# Altium PCB base-32-bit_v1.PcbDoc (part 2 of 3)
Units mil, origin at the board's own origin, x right, y up, seen from the top; angles counter-clockwise.
Board outline 1400 x 1750 mil, 4 copper layers (Top Layer, GND, PWR, Bottom Layer), stack 23.756 mil thick; 71 components, 133 nets, 539 pads, 361 vias.
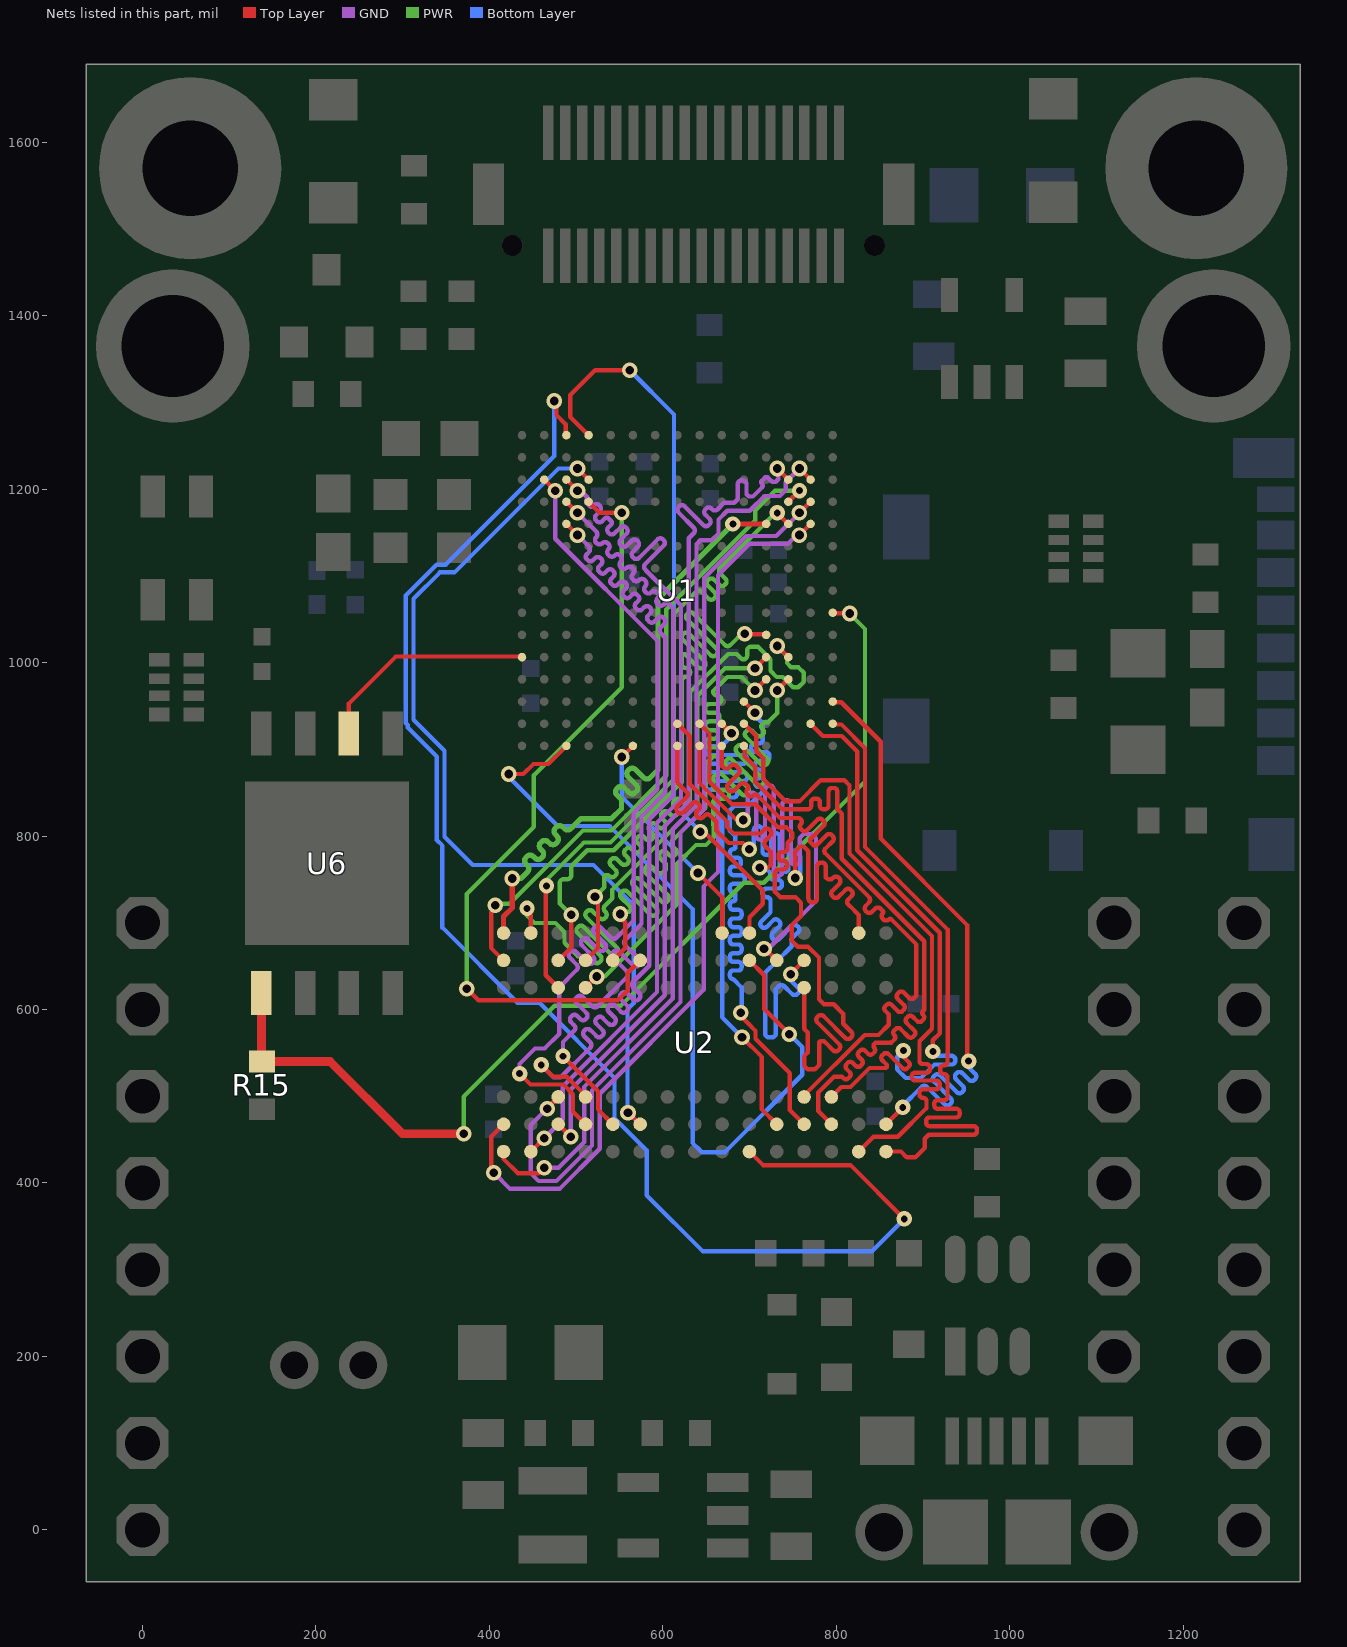
[diagram p4: the nets of this part, all layers, seen from the top]

## Via types
v1: diameter 18, hole 10, Top Layer to Bottom Layer, tented both sides, 295 vias
v2: diameter 18, hole 10, Top Layer to Bottom Layer, 36 vias
v3: diameter 18/18/18/18 (per signal layer), hole 10, Top Layer to Bottom Layer, tented both sides, 16 vias
v4: diameter 17.72, hole 8, Top Layer to Bottom Layer, tented both sides, 14 vias

## Nets (pads, with @x,y where several pads share a name; then routed paths per layer and width w, separated by ;. In a path a pad name is that pad's centre, name@x,y a point inside that pad or via, vN(x,y) a via of type N, cw(c..) or ccw(c..) an arc to the next point about the centre after c; other vN are vias at no path point) (continued)
DRAM_D4: U1.R8 U2.P9 | length 767.5
  Top Layer w5: U1.R8@616.65,903.93 616.65,861.38 627.61,850.43 cw(c625.09,847.91) 627.61,845.39 617,834.79 ccw(c620.54,831.25) 617,827.72 ccw(c620.54,831.25) 624.07,827.72 634.68,838.32 cw(c637.19,835.81) 639.71,838.32 641.75,836.28 cw(c639.23,833.77) 641.75,831.25 639.67,829.17 ccw(c643.21,825.64) 639.67,822.1 ccw(c643.21,825.64) 646.74,822.1 648.82,824.18 cw(c651.34,821.66) 653.85,824.18 661.5,816.53 661.5,806.5 676,792 692.37,792 v1(699.73,784.64) v1@693.4,784.64 ; v1@757.73,756.14 cw(c753.23,756.14) 753.23,751.64 v1(752.73,751.64) 752.73,782.5 758.16,787.93 762.3,787.93 767.73,782.5 767.73,728.2 ccw(c772.23,728.2) 772.23,723.7 773.23,723.7 ccw(c773.23,728.2) 777.73,728.2 777.73,764.97 cw(c782.23,764.97) 782.23,769.47 783.23,769.47 cw(c783.23,764.97) 787.73,764.97 787.73,752.77 ccw(c788.86,752.77) 788.86,751.64 789.22,751.28 ccw(c792.4,754.47) 795.58,751.28 796.24,751.95 cw(c799.43,748.77) 802.61,751.95 803.32,751.24 cw(c800.13,748.06) 803.32,744.88 795.46,737.03 ccw(c798.65,733.84) 795.46,730.66 796.17,729.96 ccw(c799.35,733.14) 802.54,729.96 810.39,737.81 cw(c813.57,734.62) 816.75,737.81 817.46,737.1 cw(c814.28,733.92) 817.46,730.74 813.61,726.89 ccw(c816.47,724.03) 813.61,721.18 814.97,719.82 825.75,709.04 U2.P9@825.75,688.19
  Bottom Layer w5: v1(699.73,784.64) 700.23,784.64 ccw(c700.23,789.14) 704.73,789.14 704.73,806.69 cw(c709.23,806.69) 709.23,811.19 710.23,811.19 cw(c710.23,806.69) 714.73,806.69 714.73,782.78 ccw(c719.23,782.78) 719.23,778.28 720.23,778.28 ccw(c720.23,782.78) 724.73,782.78 724.73,798.72 cw(c729.23,798.72) 729.23,803.22 730.23,803.22 cw(c730.23,798.72) 734.73,798.72 734.73,763 ccw(c739.23,763) 739.23,758.5 740.23,758.5 ccw(c740.23,763) 744.73,763 744.73,780.14 747.66,783.07 751.8,783.07 758.5,776.37 758.5,757.41 v1(752.73,751.64)
DRAM_D5: U1.P8 U2.M8 | length 751.6
  Top Layer w5: U1.P8@616.66,929.52 630.82,915.36 630.82,859.94 674,816.76 674,810.5 681.5,803 712.36,803 716.63,807.28 cw(c719.81,804.09) 723,807.28 723.7,806.57 cw(c720.52,803.39) 723.7,800.2 718.07,794.58 ccw(c721.26,791.39) 718.07,788.21 724.5,781.79 724.5,767 721.14,763.64 v1(711.73,763.64) ; v1(747.28,640.75) 747.28,640.98 U2.M8@762.76,656.46
  Bottom Layer w5: v1(711.73,763.64) 717.95,763.64 723.5,758.09 723.5,754 ccw(c728,754) 728,749.5 732.73,749.5 cw(c732.73,745) 737.23,745 737.23,744 cw(c732.73,744) 732.73,739.5 719.73,739.5 ccw(c719.73,735) 715.23,735 715.23,734 ccw(c719.73,734) 719.73,729.5 cw(c719.73,725.1) 724.12,725.1 724.12,712.21 713.63,701.72 ccw(c716.73,698.61) 713.63,695.5 ccw(c716.73,698.61) 719.84,695.5 727.04,702.69 cw(c730.14,699.58) 733.25,702.69 734.11,701.84 cw(c731,698.73) 734.11,695.62 726.64,688.15 ccw(c729.82,684.97) 726.63,681.79 727.34,681.08 ccw(c730.52,684.26) 733.71,681.08 748.84,696.21 cw(c752.02,693.03) 755.2,696.21 755.91,695.5 cw(c752.73,692.32) 755.91,689.14 748.5,681.73 748.5,673 731.5,656 ; 731.5,656.5 731.5,656 ; v1(747.28,640.75) 746.93,640.4 ccw(c750.11,637.22) 746.93,634.03 755.91,625.05 cw(c752.73,621.87) 755.91,618.69 755.2,617.98 cw(c752.02,621.16) 748.84,617.98 739.86,626.96 ccw(c736.68,623.78) 733.49,626.96 730.23,623.7 730.23,570.93 727.3,568 720.73,568 717.8,570.93 717.8,642.3 731.5,656
DRAM_D6: U1.P9 U2.M7 | length 792.9
  Top Layer w5: U1.P9@642.25,929.52 653.66,918.11 653.66,862.55 679.58,836.64 706.36,836.64 733,810 742.57,810 749,803.57 749,797.5 743.73,792.23 743.73,786 cw(c739.23,786) 739.23,781.5 736.5,781.5 ccw(c736.5,778.5) 733.5,778.5 733.5,774.5 ccw(c736.5,774.5) 736.5,771.5 738.81,771.5 cw(c738.81,767) 743.31,767 743.31,766 cw(c738.81,766) 738.81,761.5 733.59,761.5 ccw(c733.59,757) 729.09,757 729.09,735.91 735.36,729.64 752.81,729.64 759.23,723.22 759.23,707.72 748.39,696.87 748.39,679.61 755.56,672.44 767.34,672.44 779.88,659.9 779.88,611.76 785.64,606 797,606 808,595 808,583.64 817.26,574.37 cw(c814.08,571.19) 817.26,568.01 816.56,567.3 cw(c813.38,570.49) 810.19,567.3 785,592.5 ; U2.M7@762.76,625.2 762.5,624.94 762.76,624.68 762.76,577.74 767,573.5 767,550.5 762.76,546.26 762.76,535.24 767,531 775,531 780.42,536.42 780.42,562.42 cw(c783.61,559.24) 786.79,562.42 796.05,553.16 ccw(c799.23,556.34) 802.42,553.16 803.12,553.87 ccw(c799.94,557.05) 803.12,560.23 778.18,585.18 cw(c781.36,588.36) 778.18,591.54 ; 778.88,592.25 cw(c782.07,589.07) 785.25,592.25
DRAM_D7: U1.R9 U2.L8 | length 791.8
  Top Layer w5: U1.R9@642.24,903.93 642.24,861.25 684.99,818.5 v1(692.75,818.5) ; v1@716.89,671.07 U2.L8@731.26,656.69
  GND w5: v1(692.75,818.5) 693.25,818.5 ccw(c693.25,823) v1@697.75,823 ; v1@697.75,825.5 697.75,845.38 ; 697.75,847.88 697.75,845.38 ; v1(716.5,670) 721.51,670 776.5,724.99 776.5,797.63 771.81,802.31 762.44,802.31 757.75,797.63 757.75,771.64 cw(c753.25,771.64) 753.25,767.14 752.25,767.14 cw(c752.25,771.64) 747.75,771.64 747.75,836.61 ccw(c743.25,836.61) 743.25,841.11 742.25,841.11 ccw(c742.25,836.61) 737.75,836.61 737.75,758.81 cw(c733.25,758.81) 733.25,754.31 732.25,754.31 cw(c732.25,758.81) 727.75,758.81 727.75,853.6 ccw(c723.25,853.6) 723.25,858.1 722.25,858.1 ccw(c722.25,853.6) 717.75,853.6 717.75,800.4 cw(c713.25,800.4) 713.25,795.9 712.25,795.9 cw(c712.25,800.4) 707.75,800.4 707.75,845.38 ccw(c703.25,845.38) 703.25,849.88 702.25,849.88 ccw(c702.25,845.38) 697.75,845.38
DRAM_D8: U1.P10 U2.L2 | length 749.7
  Top Layer w5: U1.P10@667.84,929.52 678.87,918.5 v1(679,918.5) ; v1(691.23,568.14) 714.14,545.23 714.14,484.84 U2.L2@731.26,467.72
  Bottom Layer w5: v1@679,914.36 v1@679,915 ; v1(679,918.5) v1@679,915 ; v1(691.23,568.14) 668.25,591.11 668.25,819.25 660.5,827 660.5,841.57 663.43,844.5 681.24,844.5 ccw(c681.24,849) 685.74,849 ccw(c681.24,849) 681.24,853.5 653.5,853.5 cw(c653.5,858) 649,858 649,859 cw(c653.5,859) 653.5,863.5 692.73,863.5 ccw(c692.73,868) 697.23,868 697.23,869 ccw(c692.73,869) 692.73,873.5 653.5,873.5 cw(c653.5,878) 649,878 649,879 cw(c653.5,879) 653.5,883.5 692.73,883.5 ccw(c692.73,888) 697.23,888 697.23,889 ccw(c692.73,889) 692.73,893.5 653.5,893.5 cw(c653.5,898) 649,898 649,899 cw(c653.5,899) 653.5,903.5 667.5,903.5 v1@679,915
DRAM_D9: U1.R10 U2.M3 | length 796.6
  Top Layer w5: U1.R10@667.84,903.93 667.84,881.05 670.93,877.97 675.07,877.97 678.07,880.97 cw(c681.25,877.78) 684.43,880.97 687.17,878.22 ; 686.47,878.93 687.17,878.22 ; U2.M3@762.76,499.21 762.76,500.78 832.62,570.64 848.65,570.64 860.41,582.4 860.41,594.41 856.49,598.32 cw(c859.32,601.15) 856.49,603.98 857.91,605.4 cw(c860.73,602.57) 863.56,605.4 870.66,598.3 ccw(c873.48,601.13) 876.31,598.3 877.73,599.72 ccw(c874.9,602.55) 877.73,605.37 870.56,612.54 cw(c873.39,615.37) 870.56,618.19 871.98,619.61 cw(c874.81,616.78) 877.63,619.61 883.99,613.26 ccw(c886.81,616.09) 889.64,613.26 892.23,615.84 892.23,675.06 863.4,703.88 ccw(c861.96,702.44) 860.51,703.88 cw(c857.33,707.07) 854.15,703.88 853.44,704.59 cw(c856.63,707.77) 853.44,710.95 ccw(c852,712.4) 853.44,713.84 851,716.29 ccw(c847.82,713.11) 844.63,716.29 841.11,712.77 cw(c837.93,715.95) 834.75,712.77 834.04,713.47 cw(c837.22,716.66) 834.04,719.84 837.56,723.36 ccw(c834.38,726.54) 837.56,729.72 787.36,779.93 cw(c790.19,782.76) 787.36,785.58 795.91,794.14 ccw(c793.09,796.97) 795.91,799.8 794.5,801.21 ccw(c791.67,798.38) 788.84,801.21 777.46,789.83 cw(c775.29,791.99) 773.13,789.83 770.39,792.57 cw(c772.55,794.73) 770.39,796.9 785.3,811.81 ccw(c782.47,814.64) 785.3,817.47 783.89,818.88 ccw(c781.06,816.05) 778.23,818.88 766.15,806.8 cw(c763.32,809.63) 760.49,806.8 758.96,808.32 cw(c761.68,811.04) 758.96,813.76 ccw(c756.14,816.59) 758.96,819.41 757.55,820.83 734.9,820.83 710.09,845.64 708.77,846.96 ccw(c706.73,844.92) 704.7,846.96 cw(c701.51,850.14) 698.33,846.96 697.62,847.66 cw(c700.81,850.84) 697.62,854.03 ccw(c695.59,856.07) 697.62,858.1 695.77,859.95 ccw(c692.59,856.77) 689.41,859.95 682.38,852.93 cw(c679.2,856.11) 676.02,852.93 675.31,853.63 cw(c678.49,856.82) 675.31,860 687.17,871.86 ccw(c683.99,875.04) 687.17,878.22
DRAM_D10: U1.N11 U2.M2 | length 754.5
  Top Layer w5: v1(689.73,596.14) 689.73,592.62 698.89,583.46 698.89,583.25 706.73,575.41 706.73,566.22 746.23,526.72 746.23,484.25 U2.M2@762.76,467.72 ; U1.N11@693.43,955.11 v1(706.23,942.32)
  Bottom Layer w5: v1(689.73,596.14) 690.73,597.14 690.73,625.52 681.25,635 cw(c681.25,639) 677.25,639 677.25,641 cw(c681.25,641) 681.25,645 686.73,645 ccw(c686.73,649) 690.73,649 690.73,651 ccw(c686.73,651) 686.73,655 681.25,655 cw(c681.25,659) 677.25,659 677.25,661 cw(c681.25,661) 681.25,665 686.73,665 ccw(c686.73,669) 690.73,669 690.73,671 ccw(c686.73,671) 686.73,675 681.25,675 cw(c681.25,679) 677.25,679 677.25,681 cw(c681.25,681) 681.25,685 686.73,685 ccw(c686.73,689) 690.73,689 690.73,691 ccw(c686.73,691) 686.73,695 681.25,695 cw(c681.25,699) 677.25,699 677.25,701 cw(c681.25,701) 681.25,705 686.73,705 ccw(c686.73,709) 690.73,709 690.73,711 ccw(c686.73,711) 686.73,715 681.25,715 cw(c681.25,719) 677.25,719 677.25,721 cw(c681.25,721) 681.25,725 ccw(c681.25,727.25) 683.5,727.25 683.5,732.75 ccw(c681.25,732.75) 681.25,735 cw(c681.25,739) 677.25,739 677.25,741 cw(c681.25,741) 681.25,745 690.36,745 ccw(c690.36,749) 694.36,749 694.36,751 ccw(c690.36,751) 690.36,755 681.25,755 cw(c681.25,759) 677.25,759 677.25,761 cw(c681.25,761) 681.25,765 685.79,765 ccw(c685.79,769) 689.79,769 689.79,771 ccw(c685.79,771) 685.79,775 681.25,775 cw(c681.25,779) 677.25,779 677.25,781 cw(c681.25,781) 681.25,785 ccw(c681.25,787.25) 683.5,787.25 683.5,800 677.25,806.25 677.25,829.75 682.5,835 699,835 715,851 715,852.83 ccw(c711,852.83) 711,856.83 710.23,856.83 cw(c710.23,860.83) 706.23,860.83 706.23,862.83 cw(c710.23,862.83) 710.23,866.83 711,866.83 ccw(c711,870.83) 715,870.83 715,872.83 ccw(c711,872.83) 711,876.83 710.23,876.83 cw(c710.23,880.83) 706.23,880.83 706.23,882.83 cw(c710.23,882.83) 710.23,886.83 718.82,886.83 ccw(c718.82,890.83) 722.82,890.83 722.82,892.83 ccw(c718.82,892.83) 718.82,896.83 705.64,896.83 cw(c705.64,900.83) 701.64,900.83 701.64,902.83 cw(c705.64,902.83) 705.64,906.83 711,906.83 ccw(c711,910.83) 715,910.83 715,930.03 706.23,938.8 v1(706.23,942.32)
DRAM_D11: U1.P11 U2.P1 | length 791.3
  Top Layer w5: U1.P11@693.43,929.52 707.6,915.35 707.6,897.9 715.5,890 715.5,866.08 741.58,840 757.42,840 781.92,864.5 809,864.5 815.09,858.41 815.09,779.91 910.23,684.77 910.23,577.73 895.87,563.37 895.87,541.13 ccw(c899.87,541.13) 899.87,537.13 903.95,537.13 cw(c903.95,533.13) 907.95,533.13 907.95,531.13 cw(c903.95,531.13) 903.95,527.13 895.02,527.13 890.95,527.13 ccw(c890.95,523.13) 886.95,523.13 886.95,522.13 ccw(c890.95,522.13) 890.95,518.13 906.22,518.13 915.14,518.13 cw(c915.14,514.13) 919.14,514.13 919.14,512.13 cw(c915.14,512.13) 915.14,508.13 899.87,508.13 ccw(c899.87,504.13) 895.87,504.13 895.87,502.13 ccw(c899.87,502.13) 899.87,498.13 cw(c899.87,494.13) 903.87,494.13 903.87,486.37 870.84,453.34 842.88,453.34 U2.P1@825.75,436.22
DRAM_D12: U1.R11 U2.N2 | length 793.9
  Top Layer w5: U1.R11@693.43,903.93 694.36,903.01 694.36,891.67 706.5,879.53 706.5,862.35 737.85,831 767,831 ccw(c767,835) 771,835 771,839.19 cw(c775,839.19) 775,843.19 777,843.19 cw(c777,839.19) 781,839.19 781,835 ccw(c785,835) 785,831 787,831 ccw(c787,835) 791,835 791,851.5 cw(c795,851.5) 795,855.5 797,855.5 cw(c797,851.5) 801,851.5 801,831 806.09,825.91 806.09,773.93 901.23,678.79 901.23,599.73 900.06,598.56 ccw(c902.42,596.19) 900.06,593.83 cw(c897.23,591) 900.06,588.17 898.64,586.76 cw(c895.81,589.59) 892.99,586.76 888.07,591.67 ccw(c885.24,588.85) 882.41,591.67 881,590.26 ccw(c883.83,587.43) 881,584.6 889.86,575.74 cw(c887.03,572.91) 889.86,570.09 888.44,568.67 cw(c885.61,571.5) 882.79,568.67 873.93,577.53 ccw(c871.1,574.7) 868.27,577.53 866.86,576.12 ccw(c869.68,573.29) 866.86,570.46 cw(c864.3,567.91) 866.86,565.36 863.14,561.64 845.14,561.64 843.49,559.99 ccw(c845.39,558.1) 843.49,556.21 cw(c840.67,553.38) 843.49,550.55 842.08,549.14 cw(c839.25,551.97) 836.42,549.14 832.97,552.6 ccw(c830.14,549.77) 827.31,552.6 825.89,551.18 ccw(c828.72,548.35) 825.89,545.53 829.35,542.07 cw(c826.52,539.24) 829.35,536.41 827.94,535 cw(c825.11,537.83) 822.28,535 818.82,538.46 ccw(c815.99,535.63) 813.17,538.46 811.75,537.04 ccw(c814.58,534.21) 811.75,531.38 815.21,527.93 cw(c812.38,525.1) 815.21,522.27 813.8,520.85 cw(c810.97,523.68) 808.14,520.85 806.49,522.5 797.21,522.5 779,504.29 779,482.97 U2.N2@794.25,467.72
DRAM_D13: U1.P15 U2.R1 | length 794.9
  Top Layer w5: U1.P15@795.79,929.52 796.72,928.6 805.78,928.6 833.09,901.29 833.09,787.37 928.23,692.23 928.23,550.68 928.14,550.59 928.14,539.59 cw(c924.14,539.59) 924.14,535.59 923.72,535.59 ccw(c923.72,531.59) 919.72,531.59 919.72,529.59 ccw(c923.72,529.59) 923.72,525.59 924.14,525.59 cw(c924.14,521.59) 928.14,521.59 928.14,499.59 cw(c924.14,499.59) 924.14,495.59 916.87,495.59 ccw(c916.87,491.59) 912.87,491.59 912.87,489.59 ccw(c916.87,489.59) 916.87,485.59 938.08,485.59 cw(c938.08,481.59) 942.08,481.59 942.08,479.59 cw(c938.08,479.59) 938.08,475.59 907.47,475.59 ccw(c907.47,471.59) 903.47,471.59 903.47,469.59 ccw(c907.47,469.59) 907.47,465.59 958.08,465.59 cw(c958.08,461.59) 962.08,461.59 962.08,459.59 cw(c958.08,459.59) 958.08,455.59 906.59,455.59 902,451 902,440.5 891,429.5 881.18,429.5 874.46,436.22 U2.R1@857.24,436.22
DRAM_D14: U1.P14 U2.N3 | length 750.7
  Top Layer w5: U1.P14@770.2,929.52 784.37,915.35 806.29,915.35 824.09,897.56 824.09,783.64 919.23,688.5 919.23,572.5 911.23,564.5 v4(911.23,551.64) ; U2.N3@794.25,499.21 805.72,510.68 816.35,510.68 838.31,532.64 857.23,532.64 ccw(c854.91,534.96) 857.23,537.28 852.92,541.59 cw(c855.75,544.42) 852.92,547.25 854.33,548.66 cw(c857.16,545.83) 859.99,548.66 876.21,532.44 ccw(c879.04,535.27) 881.87,532.44 883.28,533.85 ccw(c880.46,536.68) 883.28,539.51 876.52,546.27 cw(c879.35,549.1) 876.52,551.93 v4(877.23,552.64) v4@877.23,552.23
  Bottom Layer w5: v4(877.23,552.64) 870,545.41 870,531 880,521 897.5,521 913.14,536.64 932.64,536.64 ccw(c932.64,541.14) 937.14,541.14 937.14,542.14 ccw(c932.64,542.14) 932.64,546.64 915.73,546.64 cw(c915.73,551.14) 911.23,551.14 v4(911.23,551.64)
DRAM_D15: U1.N15 U2.R2 | length 750.5
  Top Layer w5: U1.N15@795.79,955.11 796.72,954.19 805.64,954.19 851.09,908.74 851.09,797.14 950.73,697.5 950.73,542.27 v4(952.5,540.5) ; U2.R2@857.24,467.72 876.5,486.98 v4(876.5,487.24)
  Bottom Layer w5: v4(876.5,487.24) 876.5,489.01 897.47,509.97 898.17,510.68 cw(c901.35,507.5) 904.54,510.68 924.57,490.65 ccw(c927.75,493.83) 930.93,490.65 931.64,491.36 ccw(c928.46,494.54) 931.64,497.72 912.48,516.88 cw(c915.66,520.07) 912.48,523.25 913.18,523.95 cw(c916.37,520.77) 919.55,523.95 938.71,504.79 ccw(c941.89,507.97) 945.08,504.79 945.78,505.5 ccw(c942.6,508.68) 945.78,511.86 938,519.64 cw(c941.19,522.82) 938,526 938.71,526.71 cw(c941.89,523.53) 945.08,526.71 952.85,518.93 ccw(c956.04,522.12) 959.22,518.93 959.92,519.64 ccw(c956.74,522.82) 959.92,526 952.15,533.78 cw(c955.33,536.96) 952.15,540.15 v4(952.5,540.5)
DRAM_D16: U1.M12 U2.E8 | length 762.4
  Top Layer w5: U2.E8@542.28,656.69 556.66,671.07 556.66,700.69 550.73,706.62 v1(550.73,710.14) ; v1(706.22,967.91) U1.M12@719.02,980.7
  PWR w5: v1(550.73,710.14) 553.22,712.63 561.13,712.63 561.48,712.98 ccw(c558.3,716.16) 561.48,719.34 552.05,728.78 cw(c555.23,731.96) 552.05,735.14 552.75,735.85 cw(c555.93,732.66) 559.12,735.85 585.44,709.53 ccw(c588.62,712.71) 591.8,709.53 592.51,710.24 ccw(c589.32,713.42) 592.51,716.6 565.82,743.29 cw(c569,746.47) 565.82,749.65 566.53,750.36 cw(c569.71,747.17) 572.89,750.36 598.61,724.64 ccw(c601.79,727.82) 604.97,724.64 605.68,725.34 ccw(c602.5,728.53) 605.68,731.71 579.96,757.43 cw(c583.14,760.61) 579.96,763.79 580.67,764.5 cw(c583.85,761.32) 587.03,764.5 594.52,757.02 599.15,757.02 603.2,761.06 603.2,768.13 596.93,774.4 cw(c600.11,777.58) 596.93,780.76 597.64,781.47 cw(c600.82,778.29) 604,781.47 607.43,778.04 ccw(c610.62,781.22) 613.8,778.04 614.5,778.75 ccw(c611.32,781.93) 614.5,785.11 611.08,788.54 cw(c614.26,791.72) 611.08,794.9 626,809.83 648.78,832.61 648.78,882.78 658,892 658,892.19 663.5,892.19 ccw(c663.5,896.69) 668,896.69 668,897.69 ccw(c663.5,897.69) 663.5,902.19 653.28,902.19 cw(c653.28,906.69) 648.78,906.69 648.78,907.69 cw(c653.28,907.69) 653.28,912.19 659,912.19 ccw(c659,916.69) 663.5,916.69 663.5,917.69 ccw(c659,917.69) 659,922.19 653.28,922.19 cw(c653.28,926.69) 648.78,926.69 648.78,927.69 cw(c653.28,927.69) 653.28,932.19 660.64,932.19 ccw(c660.64,936.69) 665.14,936.69 665.14,937.69 ccw(c660.64,937.69) 660.64,942.19 653.28,942.19 cw(c653.28,946.69) 648.78,946.69 648.78,947.69 cw(c653.28,947.69) 653.28,952.19 662.57,952.19 ccw(c662.57,956.69) 667.07,956.69 667.07,957.69 ccw(c662.57,957.69) 662.57,962.19 662.5,962.19 cw(c662.5,966.69) 658,966.69 658,967.19 674.22,983.41 690.72,983.41 v1(706.22,967.91)
DRAM_D17: U1.M13 U2.D7 | length 759.7
  Top Layer w5: U2.D7@510.79,625.2 v1(523.58,638) ; v1(731.82,967.91) U1.M13@744.61,980.7
  PWR w5: v1(523.58,638) 533,638 616,721 616,767.51 638.12,789.64 649.65,789.64 658.73,798.72 658.73,811.56 658,812.29 658,838.5 cw(c662.5,838.5) 662.5,843 671.69,843 ccw(c671.69,847.5) 676.19,847.5 676.19,848.5 ccw(c671.69,848.5) 671.69,853 662.5,853 cw(c662.5,857.5) 658,857.5 658,868 661.46,871.46 cw(c664.64,868.28) 667.82,871.46 690.96,848.32 ccw(c694.14,851.5) 697.33,848.32 698.03,849.03 ccw(c694.85,852.21) 698.03,855.39 671.71,881.71 cw(c673.76,883.76) 671.71,885.81 674.68,888.78 cw(c676.73,886.73) 678.78,888.78 708.27,859.29 ccw(c711.45,862.48) 714.64,859.29 715.34,860 ccw(c712.16,863.18) 715.34,866.36 685.25,896.46 cw(c688.43,899.64) 685.25,902.83 685.95,903.53 cw(c689.14,900.35) 692.32,903.53 713.03,882.82 ccw(c716.21,886) 719.4,882.82 720.1,883.52 ccw(c716.92,886.71) 720.1,889.89 695.82,914.17 cw(c699,917.36) 695.82,920.54 696.53,921.24 cw(c699.71,918.06) 702.89,921.24 707.93,916.21 ccw(c711.11,919.39) 714.29,916.21 715,916.91 ccw(c711.82,920.1) 715,923.28 714.14,924.14 cw(c716.22,926.22) 714.14,928.31 717.04,931.21 721.21,931.21 731.82,941.82 v1(731.82,967.91)
DRAM_D18: U1.L13 U2.D8 | length 760.9
  Top Layer w5: U2.D8@510.79,656.69 525.16,671.07 525.16,723.18 521.73,726.62 v1(521.73,730.14) ; v1(731.73,1019.14) U1.L13@744.61,1006.29
  PWR w5: v1@521.73,731.01 v1(521.73,730.14) 532.39,740.8 532.39,753.89 cw(c535.32,750.97) 538.24,753.89 ccw(c541.42,757.08) 544.61,753.89 545.31,754.6 ccw(c542.13,757.78) 545.31,760.96 540.03,766.25 cw(c543.21,769.43) 540.03,772.61 540.74,773.32 cw(c543.92,770.14) 547.1,773.32 552.38,768.04 ccw(c555.57,771.22) 558.75,768.04 559.46,768.74 ccw(c556.27,771.93) 559.46,775.11 556.53,778.03 ; 556.52,778.04 cw(c559.61,781.11) 556.52,784.19 ; 556.53,784.19 557.44,785.1 cw(c560.52,782.02) 563.6,785.1 566.53,782.18 ccw(c569.71,785.36) 572.89,782.18 573.6,782.89 ccw(c570.42,786.07) 573.6,789.25 570.67,792.17 ; 570.66,792.18 cw(c573.76,795.26) 570.66,798.33 571.58,799.24 cw(c574.66,796.16) 577.74,799.24 580.67,796.32 ccw(c583.85,799.5) 587.03,796.32 587.74,797.03 ccw(c584.56,800.21) 587.74,803.39 584.82,806.32 cw(c587.9,809.4) 584.81,812.47 ; 584.82,812.48 585.72,813.39 ; 585.73,813.4 cw(c588.81,810.31) 591.88,813.4 594.81,810.46 ccw(c597.99,813.64) 601.18,810.46 601.88,811.17 ccw(c598.7,814.35) 601.88,817.53 598.96,820.46 cw(c602.04,823.54) 598.95,826.61 599.87,827.53 cw(c602.95,824.45) 606.03,827.53 608.95,824.6 ccw(c612.14,827.79) 615.32,824.6 616.02,825.31 ccw(c612.84,828.49) 616.02,831.68 613.1,834.6 cw(c616.18,837.68) 613.09,840.75 614.01,841.67 ; 614.02,841.68 cw(c617.09,838.59) 620.17,841.67 622.39,839.45 ccw(c625.57,842.64) 628.75,839.45 ; 629.46,840.16 628.75,839.45 ; 701.59,1018.36 ccw(c701.59,1013.86) 701.37,1018.35 ; v1@731.73,1020.73 v1(731.73,1019.14) v1@731.73,1018.27 ; v1@732.59,1018.27 v1@731.73,1018.27 ; 628.75,839.45 630.78,841.48 630.78,965.43 675.35,1010 685.24,1010 691.59,1003.65 692.59,1003.65 ccw(c692.59,1008.15) 697.09,1008.15 697.09,1013.86 cw(c701.59,1013.86) 701.36,1018.35 ; 701.36,1018.35 709.65,1018.35 724,1004 724,990.5 731.09,983.41 738.24,983.41 750.14,971.5 756,971.5 762.5,978 762.5,988.37 756.37,994.5 748,994.5 743,999.5 743,1007 v1@731.73,1018.27
DRAM_D19: U1.L12 U2.B9 | length 755.8
  Top Layer w5: v4(443.23,716.64) 443.23,713.2 447.8,708.62 U2.B9@447.8,688.19 ; v1(706.22,993.5) U1.L12@719.02,1006.29
  PWR w5: v4(443.23,716.64) 443.23,708.27 451.82,699.68 476.03,699.68 486.5,689.21 486.5,677 502,661.5 514.21,661.5 520.89,654.82 ccw(c524.07,658) 527.26,654.82 527.96,655.52 ccw(c524.78,658.7) 527.96,661.89 501.61,688.24 cw(c504.79,691.42) 501.61,694.6 502.32,695.31 cw(c505.5,692.13) 508.68,695.31 539.95,664.04 ccw(c543.13,667.22) 546.31,664.04 547.02,664.75 ccw(c543.84,667.93) 547.02,671.11 511.89,706.25 cw(c515.07,709.43) 511.89,712.61 512.59,713.32 cw(c515.78,710.14) 518.96,713.32 526.84,705.44 ccw(c530.02,708.62) 533.2,705.44 533.91,706.15 ccw(c530.73,709.33) 533.91,712.51 533.15,713.27 cw(c536.33,716.45) 533.15,719.64 541.73,728.22 541.73,738.29 639.78,836.34 639.78,961.7 671.58,993.5 v1(706.22,993.5)
DRAM_D20: U1.K12 U2.C8 | length 764.7
  Top Layer w5: U2.C8@479.29,656.69 494.23,671.63 v1(494.23,709.14) ; v1(694.23,1033.14) 694.86,1032.51 718.4,1032.51 U1.K12@719.02,1031.88
  PWR w5: v1(494.23,709.14) 481.09,722.28 481.09,745.73 cw(c485.59,745.73) 485.59,750.23 489.73,750.23 ccw(c489.73,754.73) 494.23,754.73 494.23,765.23 512.64,783.64 543.25,783.64 621.78,862.17 621.78,979.28 cw(c626.28,979.28) 626.28,983.78 626.85,983.78 ccw(c626.85,988.28) 631.35,988.28 631.35,989.28 ccw(c626.85,989.28) 626.85,993.78 626.28,993.78 cw(c626.28,998.28) 621.78,998.28 621.78,1008.78 cw(c624.11,1006.45) 626.44,1008.78 640.74,994.48 ccw(c643.92,997.66) 647.1,994.48 647.81,995.19 ccw(c644.63,998.37) 647.81,1001.55 623.1,1026.26 cw(c626.28,1029.45) 623.1,1032.63 623.8,1033.34 cw(c626.98,1030.15) 630.17,1033.34 654.88,1008.62 ccw(c658.06,1011.8) 661.24,1008.62 661.95,1009.33 ccw(c658.77,1012.51) 661.95,1015.69 627.96,1049.69 cw(c631.14,1052.87) 627.96,1056.05 628.67,1056.76 cw(c631.85,1053.57) 635.03,1056.76 671.47,1020.32 ccw(c674.65,1023.5) 677.83,1020.32 686,1028.49 686.06,1028.49 690.71,1033.14 v1(694.23,1033.14)
DRAM_D21: U1.E12 U2.A9 | length 765.5
  Top Layer w6: U2.A9@416.3,688.19 416.3,707.08 426.23,717.01 v1(426.23,751.14) ; v4(680.63,1159.84) U1.E12@719.02,1159.84
  PWR w6: v1(426.23,751.14) 436.46,751.14 443.84,758.53 ccw(c440.03,762.35) 443.84,766.16 442.13,767.88 cw(c445.94,771.7) 442.13,775.52 442.97,776.37 cw(c446.79,772.55) 450.61,776.37 452.33,774.65 ccw(c456.15,778.47) 459.97,774.65 460.82,775.5 ccw(c457,779.32) 460.82,783.13 459.1,784.85 cw(c462.91,788.67) 459.1,792.49 459.94,793.34 cw(c463.76,789.52) 467.58,793.34 469.3,791.62 ccw(c473.12,795.44) 476.94,791.62 477.79,792.47 ccw(c473.97,796.29) 477.79,800.11 476.07,801.82 cw(c479.88,805.64) 476.07,809.46 476.91,810.31 cw(c480.73,806.49) 484.55,810.31 486.27,808.59 ccw(c490.09,812.41) 493.91,808.59 505.39,820.07 540.79,820.07 552.28,831.56 ; 552.28,834.28 552.28,831.56 ; v4(680.63,1159.84) 594.28,1073.48 594.28,876.28 585.37,867.37 cw(c581.55,871.19) 577.73,867.37 568.45,876.65 ccw(c564.63,872.83) 560.82,876.65 559.97,875.8 ccw(c563.79,871.98) 559.97,868.16 569.25,858.88 cw(c565.43,855.06) 569.25,851.25 568.4,850.4 cw(c564.58,854.22) 560.76,850.4 555.51,855.65 ccw(c551.69,851.83) 547.87,855.65 547.02,854.8 ccw(c550.84,850.98) 547.02,847.17 552.28,841.91 552.28,831.56
DRAM_D22: U1.E13 U2.C7 | length 761
  Top Layer w5: v4(465.73,742.64) 464.91,741.82 464.91,639.57 U2.C7@479.29,625.2 ; v4(731.81,1172.63) U1.E13@744.61,1159.84
  PWR w5: v4(465.73,742.64) 465.73,749.46 508.91,792.64 539.52,792.64 612.78,865.9 612.78,1055.92 638.43,1081.57 cw(c641.61,1078.39) 644.79,1081.57 652.57,1073.79 ccw(c655.75,1076.97) 658.93,1073.79 659.64,1074.5 ccw(c656.46,1077.68) 659.64,1080.86 651.86,1088.64 cw(c655.05,1091.82) 651.86,1095.01 652.57,1095.71 cw(c655.75,1092.53) 658.93,1095.71 665,1089.65 ccw(c668.18,1092.83) 671.36,1089.65 672.07,1090.35 ccw(c668.89,1093.54) 672.07,1096.72 666.01,1102.78 cw(c669.19,1105.97) 666.01,1109.15 729.49,1172.63 v4(731.81,1172.63)
DRAM_D23: U1.D13 U2.A8 | length 757.2
  Top Layer w5: v1(406.73,720.14) 406.73,716.62 401.93,711.82 401.93,671.07 U2.A8@416.3,656.69 ; U1.D13@744.61,1185.43 v4(757.41,1198.22)
  PWR w5: v1(406.73,720.14) 408.45,721.86 423.23,721.86 507.87,806.5 540.65,806.5 603.78,869.63 603.78,1061.26 706.5,1163.99 706.5,1175.5 729.22,1198.22 v4(757.41,1198.22)
DRAM_D24: U1.E14 U2.A2 | length 1060.9
  Top Layer w5: v1(405,412) 401.93,415.07 401.93,453.34 U2.A2@416.3,467.72 ; v1(757.41,1147.04) U1.E14@770.2,1159.84
  GND w5: v1(405,412) 423.79,393.21 480.91,393.21 527.16,439.47 527.16,502.98 646.92,622.74 646.92,741.87 663.5,758.45 663.5,1100.65 699.8,1136.95 744.16,1136.95 754.25,1147.04 v1(757.41,1147.04)
DRAM_D25: U1.D14 U2.C3 | length 1059.4
  Top Layer w5: v1(466.5,485.74) 466.5,486.08 479.29,498.87 U2.C3@479.29,499.21 ; v1(757.41,1172.63) U1.D14@770.2,1185.43
  GND w5: v1(466.5,485.74) 447.5,466.75 447.5,411.41 456.69,402.21 477.18,402.21 518.16,443.2 518.16,506.71 620.23,608.77 620.23,804.06 647.78,831.61 647.78,1097.65 696.08,1145.95 730.72,1145.95 v1(757.41,1172.63)
DRAM_D26: U1.C14 U2.A1 | length 1054.8
  Top Layer w5: U2.A1@416.3,436.22 416.3,427.7 432.59,411.41 456.81,411.41 v1(463.11,417.71) ; v1(757.42,1223.82) U1.C14@770.2,1211.02
  GND w5: v1(463.11,417.71) 479.95,417.71 509.16,446.92 509.16,510.67 611.23,612.73 611.23,807.79 638.78,835.34 638.78,1136.78 643,1141 656,1141 664,1149 664,1164.93 674.27,1175.2 700.2,1175.2 717,1192 735,1192 741.5,1198.5 741.5,1207.9 756.02,1222.42 757.42,1222.42 v1(757.42,1223.82)
DRAM_D27: U1.C13 U2.C2 | length 1056.8
  Top Layer w5: U2.C2@479.29,467.72 v1(493.66,453.34) ; v1(731.83,1223.82) U1.C13@744.61,1211.02
  GND w5: v1(493.66,453.34) 493.66,507.9 602.23,616.46 602.23,811.51 629.78,839.06 629.78,1143.43 635.54,1149.2 ccw(c632.36,1152.38) 635.54,1155.56 618.04,1173.06 cw(c621.22,1176.24) 618.04,1179.43 618.75,1180.13 cw(c621.93,1176.95) 625.11,1180.13 646.61,1158.63 ccw(c649.79,1161.81) 652.97,1158.63 653.68,1159.34 ccw(c650.5,1162.52) 653.68,1165.7 648.98,1170.41 cw(c652.16,1173.59) 648.98,1176.77 649.68,1177.48 cw(c652.87,1174.3) 656.05,1177.48 656.76,1176.77 ccw(c659.94,1179.95) 663.12,1176.77 670.54,1184.2 682.2,1184.2 686.34,1188.34 686.34,1205.74 cw(c690.84,1205.74) 690.84,1210.24 691.84,1210.24 cw(c691.84,1205.74) 696.34,1205.74 696.34,1195.93 ccw(c700.84,1195.93) 700.84,1191.43 703.7,1191.43 714.15,1201.88 ccw(c712.02,1204.01) 714.15,1206.14 cw(c715.99,1207.98) 714.15,1209.82 717.54,1213.21 cw(c719.38,1211.37) 721.22,1213.21 724.89,1209.53 ccw(c728.08,1212.72) 731.26,1209.53 731.96,1210.24 ccw(c728.78,1213.42) 731.96,1216.6 731.47,1217.1 cw(c734.65,1220.28) 731.47,1223.46 v1(731.83,1223.82)
DRAM_D28: U1.C3 U2.B1 | length 1061.6
  Top Layer w5: U2.B1@447.8,436.22 v1(463.11,451.53) ; U1.C3@488.7,1211.02 v1(501.5,1198.23)
  GND w5: v1(463.11,451.53) 484.66,473.09 484.66,511.63 593.23,620.19 593.23,815.24 620.78,842.79 620.78,1066.09 586.07,1100.79 580.28,1106.59 579.57,1107.3 cw(c582.75,1110.48) 579.57,1113.66 600.85,1134.94 ccw(c597.67,1138.12) 600.85,1141.3 600.14,1142.01 ccw(c596.96,1138.83) 593.78,1142.01 572.5,1120.73 cw(c569.31,1123.91) 566.13,1120.73 565.43,1121.44 cw(c568.61,1124.62) 565.43,1127.8 571.1,1133.48 ccw(c567.92,1136.66) 571.1,1139.84 570.4,1140.55 ccw(c567.21,1137.37) 564.03,1140.55 558.35,1134.87 cw(c555.17,1138.06) 551.99,1134.87 551.28,1135.58 cw(c554.47,1138.76) 551.28,1141.94 558.08,1148.74 ccw(c554.9,1151.93) 558.08,1155.11 557.38,1155.82 ccw(c554.19,1152.63) 551.01,1155.82 544.21,1149.02 cw(c541.03,1152.2) 537.85,1149.02 537.14,1149.72 cw(c540.32,1152.9) 537.14,1156.09 540.39,1159.34 ccw(c538.56,1161.17) 540.39,1163 536.99,1166.41 ccw(c535.15,1164.57) 533.32,1166.41 530.07,1163.16 cw(c526.89,1166.34) 523.71,1163.16 523,1163.87 cw(c526.18,1167.05) 523,1170.23 527.11,1174.34 ccw(c523.93,1177.52) 527.11,1180.7 526.4,1181.41 ccw(c523.22,1178.23) 520.04,1181.41 519.18,1180.55 cw(c517.34,1182.38) 515.51,1180.55 512.11,1183.95 cw(c513.94,1185.79) 512.11,1187.62 ccw(c510.27,1189.45) 512.11,1191.29 508.7,1194.69 ccw(c506.87,1192.86) 505.04,1194.69 v1(501.5,1198.23)
DRAM_D29: U1.C2 U2.D2 | length 1056.9
  Top Layer w5: v4(434.73,526.14) 447.28,513.59 485.24,513.59 496.41,502.41 496.41,482.09 U2.D2@510.79,467.72 ; U1.C2@463.11,1211.02 v1(475.91,1198.23)
  GND w5: v4(434.73,526.14) 434.73,537.23 452.5,555 463.59,555 480.5,571.91 480.5,625.5 500.49,645.49 ccw(c497.31,648.68) 500.49,651.86 492.72,659.64 cw(c495.9,662.82) 492.72,666 493.42,666.71 cw(c496.6,663.53) 499.79,666.71 512.72,653.78 ccw(c515.9,656.96) 519.08,653.78 519.79,654.48 ccw(c516.61,657.66) 519.79,660.85 506.86,673.78 cw(c510.04,676.96) 506.86,680.14 507.56,680.85 cw(c510.75,677.67) 513.93,680.85 526.04,668.74 ccw(c529.22,671.92) 532.4,668.74 533.11,669.44 ccw(c529.93,672.63) 533.11,675.81 521,687.92 cw(c524.18,691.1) 521,694.28 521.71,694.99 cw(c524.89,691.81) 528.07,694.99 540.18,682.88 ccw(c543.36,686.06) 546.55,682.88 ; v1(475.91,1198.23) 475.91,1142.88 593.78,1025.01 593.78,853.98 566.23,826.43 566.23,702.56 546.55,682.88 ; 547.25,683.59 546.55,682.88
DRAM_D30: U1.D3 U2.D3 | length 1054.2
  Top Layer w5: v4(459.73,536.14) 473.28,522.59 488.97,522.59 510.79,500.77 U2.D3@510.79,499.21 ; U1.D3@488.7,1185.43 v1(501.5,1172.64)
  GND w5: v4(459.73,536.14) 473.87,522 482.31,522 515.5,555.19 516.2,555.9 ccw(c513.02,559.08) 516.2,562.26 509.28,569.19 cw(c512.46,572.37) 509.28,575.55 509.99,576.26 cw(c513.17,573.07) 516.35,576.26 523.28,569.33 ccw(c526.46,572.51) 529.64,569.33 530.35,570.04 ccw(c527.16,573.22) 530.35,576.4 523.42,583.33 cw(c526.6,586.51) 523.42,589.69 524.13,590.4 cw(c527.31,587.22) 530.49,590.4 537.42,583.47 ccw(c540.6,586.65) 543.78,583.47 544.49,584.18 ccw(c541.31,587.36) 544.49,590.54 537.56,597.47 cw(c540.74,600.65) 537.56,603.83 538.27,604.54 cw(c541.45,601.36) 544.63,604.54 551.56,597.61 ccw(c554.74,600.8) 557.92,597.61 558.63,598.32 ccw(c555.45,601.5) 558.63,604.69 551.7,611.61 cw(c554.89,614.79) 551.7,617.98 552.41,618.68 cw(c555.59,615.5) 558.78,618.68 565.7,611.76 ccw(c568.88,614.94) 572.07,611.76 572.77,612.46 ccw(c569.59,615.65) 572.77,618.83 565.85,625.75 cw(c569.03,628.94) 565.85,632.12 ; v1(501.5,1172.64) 523.07,1151.07 cw(c519.88,1147.89) 523.07,1144.71 523,1144.64 ccw(c526.18,1141.45) 523,1138.27 523.7,1137.57 ccw(c526.89,1140.75) 530.07,1137.57 530.14,1137.63 cw(c533.32,1134.45) 536.5,1137.63 537.21,1136.93 cw(c534.03,1133.75) 537.21,1130.56 537.14,1130.49 ccw(c540.32,1127.31) 537.14,1124.13 537.85,1123.42 ccw(c541.03,1126.61) 544.21,1123.42 544.28,1123.49 cw(c547.46,1120.31) 550.64,1123.49 551.35,1122.79 cw(c548.17,1119.6) 551.35,1116.42 551.28,1116.35 ccw(c554.46,1113.17) 551.28,1109.99 551.99,1109.28 ccw(c555.17,1112.46) 558.35,1109.28 558.42,1109.35 cw(c561.6,1106.17) 564.79,1109.35 565.49,1108.64 cw(c562.31,1105.46) 565.49,1102.28 565.42,1102.21 ccw(c568.61,1099.03) 565.42,1095.85 566.13,1095.14 ccw(c569.31,1098.32) 572.49,1095.14 572.56,1095.21 cw(c575.75,1092.03) 578.93,1095.21 579.63,1094.5 cw(c576.45,1091.32) 579.63,1088.14 579.57,1088.07 ccw(c582.75,1084.89) 579.57,1081.7 580.27,1081 ccw(c583.45,1084.18) 586.64,1081 586.71,1081.07 cw(c589.89,1077.88) 593.07,1081.07 593.78,1080.36 cw(c590.59,1077.18) 593.78,1074 593.71,1073.93 ccw(c596.89,1070.74) 593.71,1067.56 594.41,1066.85 ccw(c597.6,1070.04) 600.78,1066.85 600.85,1066.92 cw(c604.03,1063.74) 607.21,1066.92 611.78,1062.36 611.78,846.52 584.23,818.97 584.23,650.5 565.85,632.12 ; 566.55,632.82 565.85,632.12
DRAM_D31: U1.E3 U2.E2 | length 1053.8
  Top Layer w5: v4(484.73,546.14) 525.16,505.7 525.16,484.84 U2.E2@542.28,467.72 ; U1.E3@488.7,1159.84 v1(501.5,1147.04)
  GND w5: v4(484.73,546.14) 484.73,562.66 497.64,575.57 ccw(c494.46,578.75) 497.64,581.93 494.08,585.49 cw(c497.27,588.67) 494.08,591.86 494.79,592.56 cw(c497.97,589.38) 501.16,592.56 504.71,589.01 ccw(c507.89,592.19) 511.08,589.01 511.78,589.71 ccw(c508.6,592.89) 511.78,596.08 500.43,607.43 cw(c503.61,610.61) 500.43,613.8 501.14,614.5 cw(c504.32,611.32) 507.5,614.5 518.25,603.75 518.39,603.75 ccw(c521.57,606.93) 524.75,603.75 558.48,637.48 ccw(c555.29,640.66) 558.48,643.84 542.54,659.78 cw(c545.72,662.96) 542.54,666.14 543.24,666.85 cw(c546.43,663.67) 549.61,666.85 565.55,650.91 ccw(c568.73,654.09) 571.91,650.91 572.62,651.62 ccw(c569.44,654.8) 572.62,657.98 556.68,673.92 cw(c559.86,677.1) 556.68,680.28 575.23,698.83 575.23,822.7 602.78,850.25 602.78,1028.74 596.29,1035.23 596.29,1039.37 601.46,1044.54 ccw(c598.28,1047.73) 601.46,1050.91 600.75,1051.62 ccw(c597.57,1048.43) 594.39,1051.62 589.89,1047.11 cw(c587.14,1049.86) 584.4,1047.11 582.82,1048.7 cw(c585.56,1051.44) 582.82,1054.18 585.4,1056.77 ccw(c582.22,1059.95) 585.4,1063.14 584.7,1063.84 ccw(c581.51,1060.66) 578.33,1063.84 575.74,1061.26 cw(c573,1064) 570.26,1061.26 568.67,1062.84 cw(c571.42,1065.58) 568.67,1068.33 571.26,1070.91 ccw(c568.08,1074.1) 571.26,1077.28 570.55,1077.99 ccw(c567.37,1074.8) 564.19,1077.99 561.6,1075.4 cw(c558.86,1078.14) 556.12,1075.4 554.53,1076.98 cw(c557.27,1079.73) 554.53,1082.47 557.12,1085.06 ccw(c553.94,1088.24) 557.12,1091.42 556.41,1092.13 ccw(c553.23,1088.95) 550.05,1092.13 547.46,1089.54 cw(c544.72,1092.28) 541.98,1089.54 ; v1(501.5,1147.04) 514.69,1133.85 cw(c511.51,1130.67) 514.69,1127.48 512.1,1124.9 ccw(c514.85,1122.15) 512.1,1119.41 513.69,1117.82 ccw(c516.43,1120.57) 519.18,1117.82 521.76,1120.41 cw(c524.95,1117.23) 528.13,1120.41 528.84,1119.71 cw(c525.65,1116.52) 528.84,1113.34 526.25,1110.75 ccw(c528.99,1108.01) 526.25,1105.27 527.83,1103.68 ccw(c530.58,1106.42) 533.32,1103.68 535.91,1106.27 cw(c539.09,1103.09) 542.27,1106.27 542.98,1105.56 cw(c539.8,1102.38) 542.98,1099.2 540.39,1096.61 ccw(c543.13,1093.87) 540.39,1091.13 541.97,1089.54
DRAM_DQM0: U1.A4 U2.K9 | length 856.7
  Top Layer w5: U1.A4@514.29,1262.2 493.23,1283.27 493.23,1308.56 521.81,1337.14 v1(561.73,1337.14) ; v1(643.23,805.14) 645.72,802.65 649.78,802.65 715.23,737.21 715.23,721.89 699.76,706.42 U2.K9@699.76,688.19
  Bottom Layer w5: v1(561.73,1337.14) 612.73,1286.14 612.73,835.64 v1(643.23,805.14)
DRAM_DQM1: U1.A3 U2.K1 | length 1717.6
  Top Layer w5: v1(474.73,1301.64) 477.22,1299.15 477.22,1285.32 487.91,1274.62 487.91,1263 U1.A3@488.7,1262.2 ; U2.K1@699.76,436.22 715.34,420.64 816.23,420.64 v4(878.23,358.64)
  Bottom Layer w5: v1(474.73,1301.64) 474.73,1238.22 349.51,1113 339.12,1113 303.5,1077.38 303.5,930.26 305.73,928.03 305.73,925.09 339.23,891.59 339.23,795.49 345.73,788.99 345.73,694.45 432.41,607.77 457.55,607.77 544.23,521.09 544.23,474.72 581.23,437.72 581.23,385.99 646.08,321.14 840.73,321.14 v4(878.23,358.64)
DRAM_DQM2: U1.D4 U2.F8 | length 902.8
  Top Layer w5: v1(373.73,624.14) 387.04,610.82 548.23,610.82 559.41,622 559.41,642.32 U2.F8@573.78,656.69 ; U1.D4@514.29,1185.43 527.09,1172.63 v1(552.68,1172.63)
  PWR w5: v1(373.73,624.14) 373.73,733.29 451.23,810.79 451.23,870.13 552.68,971.58 v1(552.68,1172.63)
DRAM_DQM3: U1.C4 U2.F2 | length 1071.1
  Top Layer w5: v1(501.5,1223.82) U1.C4@514.29,1211.02 ; v1(559.73,481.14) 560.05,481.14 573.46,467.72 U2.F2@573.78,467.72
  Bottom Layer w5: v1(501.5,1223.82) 479.58,1223.82 359.76,1104 342.85,1104 312.5,1073.65 312.5,933.99 348.23,898.26 348.23,799.22 380.81,766.64 519.88,766.64 566.23,720.29 566.23,607.21 559.23,600.21 559.23,481.64 v1(559.73,481.14)
DRAM_RAS: U1.R6 U2.J9 | length 268.9
  Top Layer w5: v1(552.68,891.14) U1.R6@565.47,903.93 ; v1(640.5,757.37) 668.27,729.6 U2.J9@668.27,688.19
  Bottom Layer w5: v1(552.68,891.14) 552.68,845.19 v1(640.5,757.37)
DRAM_WE: U1.R3 U2.K8 | length 953
  Top Layer w5: v1(422.19,871.5) 439.09,871.5 450.73,883.14 467.91,883.14 U1.R3@488.7,903.93 ; U2.K8@699.76,656.69 716.89,639.57 716.89,600.48 v1(745.73,571.64)
  Bottom Layer w5: v1(422.19,871.5) 422.19,868.26 478.81,811.64 538.52,811.64 634.23,715.93 634.23,446.21 644.8,435.64 671.65,435.64 760.73,524.72 760.73,556.64 v1(745.73,571.64)
FLASH_CLK: U1.L1 U6.6 | length 256.8
  Top Layer w5: U6.6@237.96,918.29 237.96,952.81 292.15,1007 436.81,1007 U1.L1@437.52,1006.29
FLASH_CS: R15.1 U1.J15 U6.1 | length 1223.4
  Top Layer w5: U1.J15@795.79,1057.48 796.22,1057.06 814.81,1057.06 v1(815.23,1056.64)
  Top Layer w10: U6.1@137.17,619.08 137.17,540.7 R15.1@137.73,540.14 216.15,540.14 299.65,456.64 v1(370.23,456.64)
  PWR w5: v1(370.23,456.64) 370.23,499.56 475.17,604.5 551.52,604.5 693.31,746.29 716.3,746.29 833.09,863.08 833.09,1038.78 v1(815.23,1056.64)